# KiCad board EVE-3A keyboard ADM-3A layout.kicad_pcb
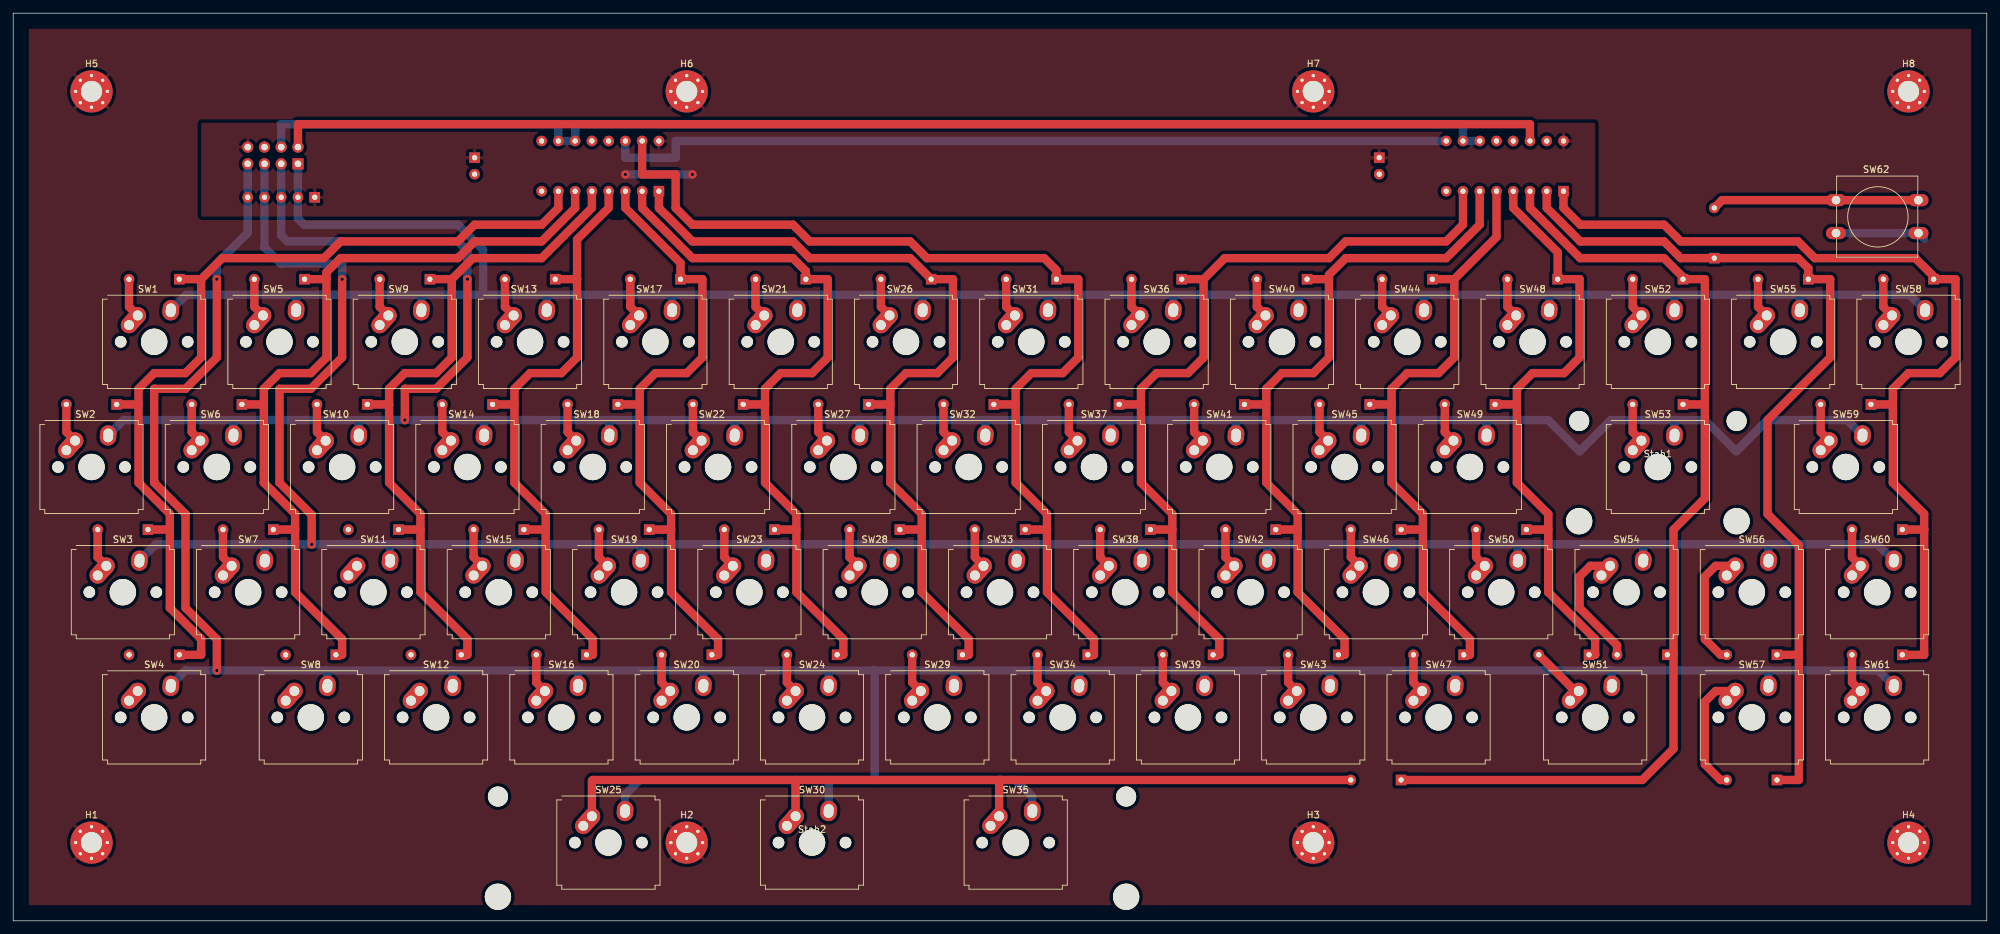
[diagram p0: board, top side]
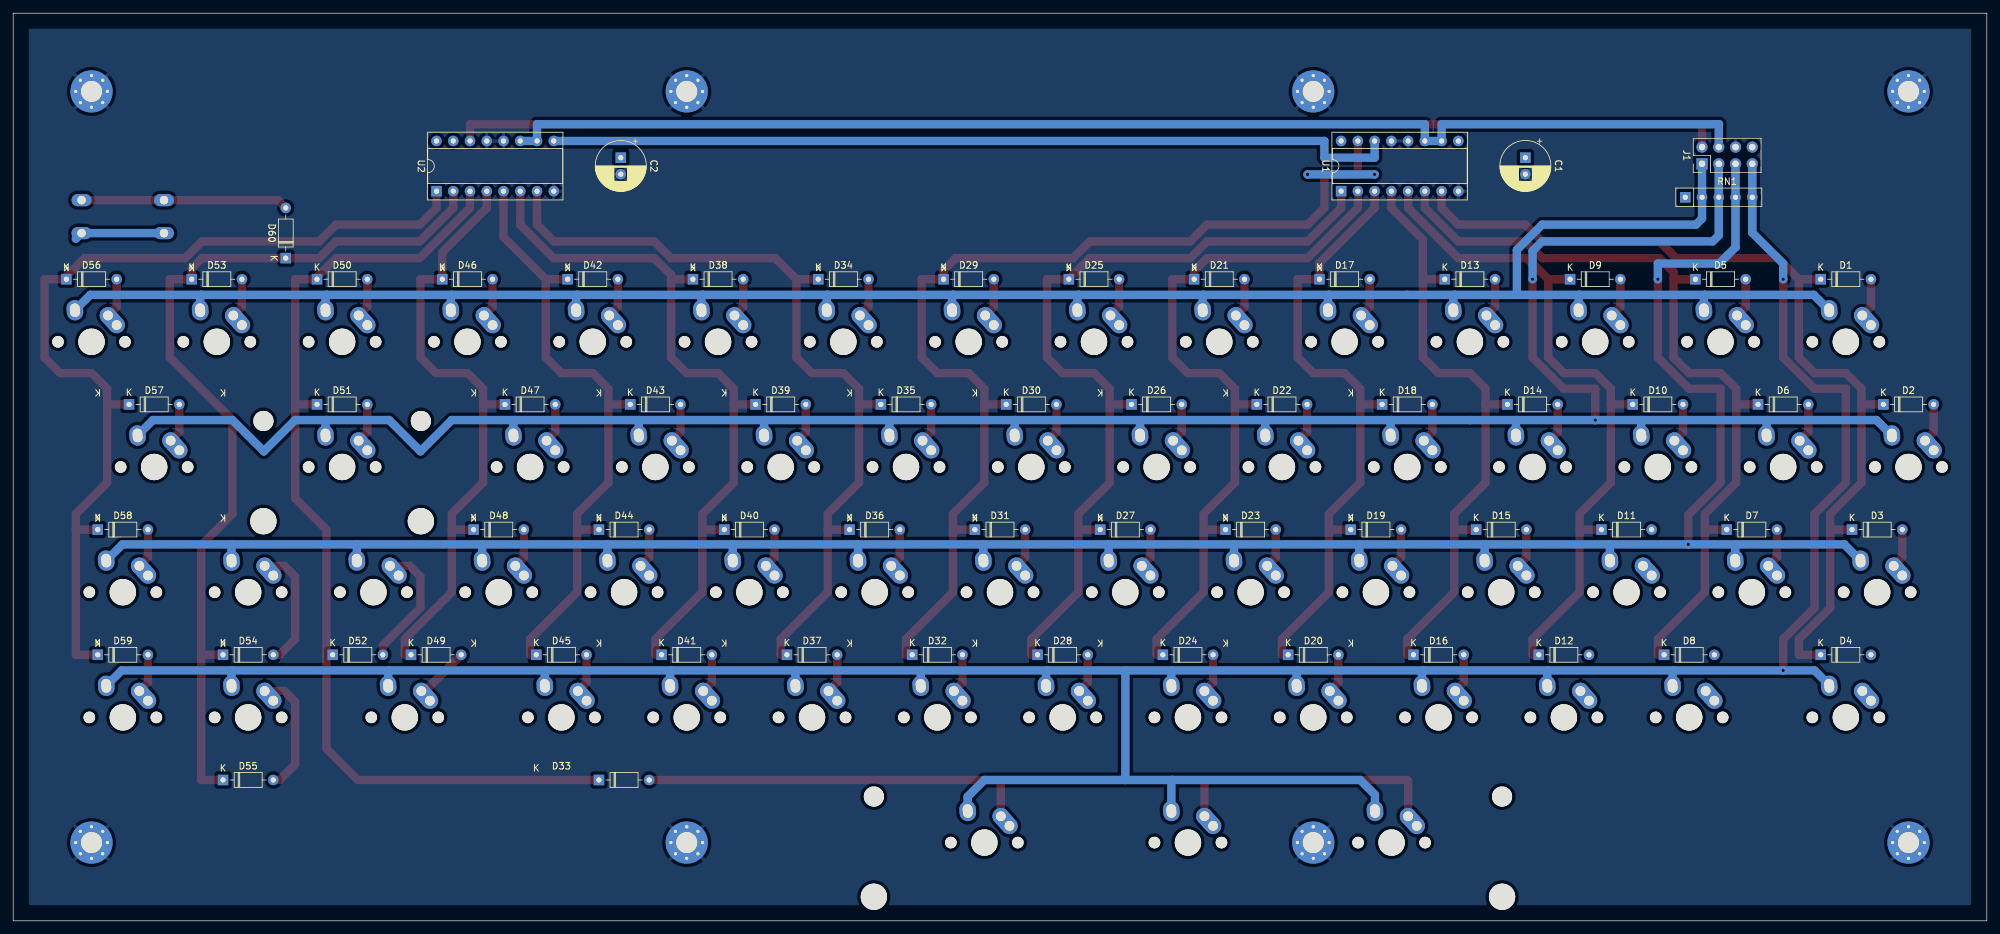
[diagram p1: board, bottom side, seen from below]

Outline 299.25 x 137.75 mm; copper layers: Top, Bottom. Coordinates in mm from the lower left corner of the outline.
Outline path: 0,137.75 0,0 299.25,0 299.25,137.75 0,137.75
Stack: Top 0.035mm / dielectric 1.51mm FR4 er 4.5 / Bottom 0.035mm

## Placement (name value [footprint] x y rotation side)
C1  C_Polarized  [CP_Radial_D7.5mm_P2.50mm]  69.97 115.81 270 bottom
C2  C_Polarized  [CP_Radial_D7.5mm_P2.50mm]  207.12 115.81 270 bottom
D1  1N4148  [D_DO-35_SOD27_P7.62mm_Horizontal]  25.19 97.38 180 bottom
D2  1N4148  [D_DO-35_SOD27_P7.62mm_Horizontal]  15.69 78.38 180 bottom
D3  1N4148  [D_DO-35_SOD27_P7.62mm_Horizontal]  20.44 59.38 180 bottom
D4  1N4148  [D_DO-35_SOD27_P7.62mm_Horizontal]  25.19 40.38 180 bottom
D5  1N4148  [D_DO-35_SOD27_P7.62mm_Horizontal]  44.18 97.38 180 bottom
D6  1N4148  [D_DO-35_SOD27_P7.62mm_Horizontal]  34.69 78.38 180 bottom
D7  1N4148  [D_DO-35_SOD27_P7.62mm_Horizontal]  39.43 59.38 180 bottom
D8  1N4148  [D_DO-35_SOD27_P7.62mm_Horizontal]  48.93 40.38 180 bottom
D9  1N4148  [D_DO-35_SOD27_P7.62mm_Horizontal]  63.18 97.38 180 bottom
D10  1N4148  [D_DO-35_SOD27_P7.62mm_Horizontal]  53.68 78.38 180 bottom
D11  1N4148  [D_DO-35_SOD27_P7.62mm_Horizontal]  58.43 59.38 180 bottom
D12  1N4148  [D_DO-35_SOD27_P7.62mm_Horizontal]  67.94 40.38 180 bottom
D13  1N4148  [D_DO-35_SOD27_P7.62mm_Horizontal]  82.19 97.38 180 bottom
D14  1N4148  [D_DO-35_SOD27_P7.62mm_Horizontal]  72.69 78.38 180 bottom
D15  1N4148  [D_DO-35_SOD27_P7.62mm_Horizontal]  77.44 59.38 180 bottom
D16  1N4148  [D_DO-35_SOD27_P7.62mm_Horizontal]  86.94 40.38 180 bottom
D17  1N4148  [D_DO-35_SOD27_P7.62mm_Horizontal]  101.19 97.38 180 bottom
D18  1N4148  [D_DO-35_SOD27_P7.62mm_Horizontal]  91.69 78.38 180 bottom
D19  1N4148  [D_DO-35_SOD27_P7.62mm_Horizontal]  96.44 59.38 180 bottom
D20  1N4148  [D_DO-35_SOD27_P7.62mm_Horizontal]  105.94 40.38 180 bottom
D21  1N4148  [D_DO-35_SOD27_P7.62mm_Horizontal]  120.19 97.38 180 bottom
D22  1N4148  [D_DO-35_SOD27_P7.62mm_Horizontal]  110.69 78.38 180 bottom
D23  1N4148  [D_DO-35_SOD27_P7.62mm_Horizontal]  115.44 59.38 180 bottom
D24  1N4148  [D_DO-35_SOD27_P7.62mm_Horizontal]  124.94 40.38 180 bottom
D25  1N4148  [D_DO-35_SOD27_P7.62mm_Horizontal]  139.19 97.38 180 bottom
D26  1N4148  [D_DO-35_SOD27_P7.62mm_Horizontal]  129.69 78.38 180 bottom
D27  1N4148  [D_DO-35_SOD27_P7.62mm_Horizontal]  134.44 59.38 180 bottom
D28  1N4148  [D_DO-35_SOD27_P7.62mm_Horizontal]  143.94 40.38 180 bottom
D29  1N4148  [D_DO-35_SOD27_P7.62mm_Horizontal]  158.19 97.38 180 bottom
D30  1N4148  [D_DO-35_SOD27_P7.62mm_Horizontal]  148.69 78.38 180 bottom
D31  1N4148  [D_DO-35_SOD27_P7.62mm_Horizontal]  153.44 59.38 180 bottom
D32  1N4148  [D_DO-35_SOD27_P7.62mm_Horizontal]  162.94 40.38 180 bottom
D33  1N4148  [D_DO-35_SOD27_P7.62mm_Horizontal]  210.44 21.38 180 bottom
D34  1N4148  [D_DO-35_SOD27_P7.62mm_Horizontal]  177.19 97.38 180 bottom
D35  1N4148  [D_DO-35_SOD27_P7.62mm_Horizontal]  167.69 78.38 180 bottom
D36  1N4148  [D_DO-35_SOD27_P7.62mm_Horizontal]  172.44 59.38 180 bottom
D37  1N4148  [D_DO-35_SOD27_P7.62mm_Horizontal]  181.94 40.38 180 bottom
D38  1N4148  [D_DO-35_SOD27_P7.62mm_Horizontal]  196.19 97.38 180 bottom
D39  1N4148  [D_DO-35_SOD27_P7.62mm_Horizontal]  186.69 78.38 180 bottom
D40  1N4148  [D_DO-35_SOD27_P7.62mm_Horizontal]  191.44 59.38 180 bottom
D41  1N4148  [D_DO-35_SOD27_P7.62mm_Horizontal]  200.94 40.38 180 bottom
D42  1N4148  [D_DO-35_SOD27_P7.62mm_Horizontal]  215.19 97.38 180 bottom
D43  1N4148  [D_DO-35_SOD27_P7.62mm_Horizontal]  205.69 78.38 180 bottom
D44  1N4148  [D_DO-35_SOD27_P7.62mm_Horizontal]  210.44 59.38 180 bottom
D45  1N4148  [D_DO-35_SOD27_P7.62mm_Horizontal]  219.94 40.38 180 bottom
D46  1N4148  [D_DO-35_SOD27_P7.62mm_Horizontal]  234.18 97.38 180 bottom
D47  1N4148  [D_DO-35_SOD27_P7.62mm_Horizontal]  224.69 78.38 180 bottom
D48  1N4148  [D_DO-35_SOD27_P7.62mm_Horizontal]  229.44 59.38 180 bottom
D49  1N4148  [D_DO-35_SOD27_P7.62mm_Horizontal]  238.93 40.38 180 bottom
D50  1N4148  [D_DO-35_SOD27_P7.62mm_Horizontal]  253.18 97.38 180 bottom
D51  1N4148  [D_DO-35_SOD27_P7.62mm_Horizontal]  253.18 78.38 180 bottom
D52  1N4148  [D_DO-35_SOD27_P7.62mm_Horizontal]  250.81 40.38 180 bottom
D53  1N4148  [D_DO-35_SOD27_P7.62mm_Horizontal]  272.19 97.38 180 bottom
D54  1N4148  [D_DO-35_SOD27_P7.62mm_Horizontal]  267.44 40.38 180 bottom
D55  1N4148  [D_DO-35_SOD27_P7.62mm_Horizontal]  267.44 21.38 180 bottom
D56  1N4148  [D_DO-35_SOD27_P7.62mm_Horizontal]  291.19 97.38 180 bottom
D57  1N4148  [D_DO-35_SOD27_P7.62mm_Horizontal]  281.69 78.38 180 bottom
D58  1N4148  [D_DO-35_SOD27_P7.62mm_Horizontal]  286.44 59.38 180 bottom
D59  1N4148  [D_DO-35_SOD27_P7.62mm_Horizontal]  286.44 40.38 180 bottom
D60  1N4148  [D_DO-35_SOD27_P7.62mm_Horizontal]  257.93 100.58 90 bottom
H1  MountingHole_Pad  [MountingHole_3.2mm_M3_Pad_Via]  11.88 11.88 0 top
H2  MountingHole_Pad  [MountingHole_3.2mm_M3_Pad_Via]  102.12 11.88 0 top
H3  MountingHole_Pad  [MountingHole_3.2mm_M3_Pad_Via]  197.12 11.88 0 top
H4  MountingHole_Pad  [MountingHole_3.2mm_M3_Pad_Via]  287.38 11.88 0 top
H5  MountingHole_Pad  [MountingHole_3.2mm_M3_Pad_Via]  11.88 125.88 0 top
H6  MountingHole_Pad  [MountingHole_3.2mm_M3_Pad_Via]  102.12 125.88 0 top
H7  MountingHole_Pad  [MountingHole_3.2mm_M3_Pad_Via]  197.12 125.88 0 top
H8  MountingHole_Pad  [MountingHole_3.2mm_M3_Pad_Via]  287.38 125.88 0 top
J1  Conn_02x04_Odd_Even  [PinHeader_2x04_P2.54mm_Vertical]  43.18 114.89 90 bottom
RN1  10K*4  [R_Array_SIP5]  45.72 109.81 180 bottom
Stab1  Stabelizer Enter  [Stabilizer_Cherry_MX_2.00u]  249.37 68.88 0 top
Stab2  Stabelizer Spacebar  [Stabilizer_Cherry_MX_6.00u]  121.12 11.88 0 top
SW1  1  [SW_Hybrid_Cherry_MX_Alps_1.00u]  21.38 87.88 0 top
SW2  Esc  [SW_Hybrid_Cherry_MX_Alps_1.00u]  11.88 68.88 0 top
SW3  Ctrl  [SW_Hybrid_Cherry_MX_Alps_1.00u]  16.62 49.88 0 top
SW4  ShiftL  [SW_Hybrid_Cherry_MX_Alps_1.50u]  21.38 30.88 0 top
SW5  2  [SW_Hybrid_Cherry_MX_Alps_1.00u]  40.38 87.88 0 top
SW6  Q  [SW_Hybrid_Cherry_MX_Alps_1.00u]  30.88 68.88 0 top
SW7  A  [SW_Hybrid_Cherry_MX_Alps_1.00u]  35.62 49.88 0 top
SW8  Z  [SW_Hybrid_Cherry_MX_Alps_1.00u]  45.13 30.88 0 top
SW9  3  [SW_Hybrid_Cherry_MX_Alps_1.00u]  59.38 87.88 0 top
SW10  W  [SW_Hybrid_Cherry_MX_Alps_1.00u]  49.88 68.88 0 top
SW11  S  [SW_Hybrid_Cherry_MX_Alps_1.00u]  54.63 49.88 0 top
SW12  X  [SW_Hybrid_Cherry_MX_Alps_1.00u]  64.12 30.88 0 top
SW13  4  [SW_Hybrid_Cherry_MX_Alps_1.00u]  78.38 87.88 0 top
SW14  E  [SW_Hybrid_Cherry_MX_Alps_1.00u]  68.88 68.88 0 top
SW15  D  [SW_Hybrid_Cherry_MX_Alps_1.00u]  73.62 49.88 0 top
SW16  C  [SW_Hybrid_Cherry_MX_Alps_1.00u]  83.12 30.88 0 top
SW17  5  [SW_Hybrid_Cherry_MX_Alps_1.00u]  97.38 87.88 0 top
SW18  R  [SW_Hybrid_Cherry_MX_Alps_1.00u]  87.88 68.88 0 top
SW19  F  [SW_Hybrid_Cherry_MX_Alps_1.00u]  92.62 49.88 0 top
SW20  V  [SW_Hybrid_Cherry_MX_Alps_1.00u]  102.12 30.88 0 top
SW21  6  [SW_Hybrid_Cherry_MX_Alps_1.00u]  116.38 87.88 0 top
SW22  T  [SW_Hybrid_Cherry_MX_Alps_1.00u]  106.88 68.88 0 top
SW23  G  [SW_Hybrid_Cherry_MX_Alps_1.00u]  111.62 49.88 0 top
SW24  B  [SW_Hybrid_Cherry_MX_Alps_1.00u]  121.12 30.88 0 top
SW25  Space  [SW_Hybrid_Cherry_MX_Alps_1.50u]  90.25 11.88 0 top
SW26  7  [SW_Hybrid_Cherry_MX_Alps_1.00u]  135.38 87.88 0 top
SW27  Y  [SW_Hybrid_Cherry_MX_Alps_1.00u]  125.88 68.88 0 top
SW28  H  [SW_Hybrid_Cherry_MX_Alps_1.00u]  130.62 49.88 0 top
SW29  N  [SW_Hybrid_Cherry_MX_Alps_1.00u]  140.12 30.88 0 top
SW30  Space  [SW_Hybrid_Cherry_MX_Alps_6.50u]  121.12 11.88 0 top
SW31  8  [SW_Hybrid_Cherry_MX_Alps_1.00u]  154.38 87.88 0 top
SW32  U  [SW_Hybrid_Cherry_MX_Alps_1.00u]  144.88 68.88 0 top
SW33  J  [SW_Hybrid_Cherry_MX_Alps_1.00u]  149.62 49.88 0 top
SW34  M  [SW_Hybrid_Cherry_MX_Alps_1.00u]  159.12 30.88 0 top
SW35  Space  [SW_Hybrid_Cherry_MX_Alps_1.50u]  152 11.88 0 top
SW36  9  [SW_Hybrid_Cherry_MX_Alps_1.00u]  173.38 87.88 0 top
SW37  I  [SW_Hybrid_Cherry_MX_Alps_1.00u]  163.88 68.88 0 top
SW38  K  [SW_Hybrid_Cherry_MX_Alps_1.00u]  168.62 49.88 0 top
SW39  ,  [SW_Hybrid_Cherry_MX_Alps_1.00u]  178.12 30.88 0 top
SW40  0  [SW_Hybrid_Cherry_MX_Alps_1.00u]  192.38 87.88 0 top
SW41  O  [SW_Hybrid_Cherry_MX_Alps_1.00u]  182.88 68.88 0 top
SW42  L  [SW_Hybrid_Cherry_MX_Alps_1.00u]  187.62 49.88 0 top
SW43  .  [SW_Hybrid_Cherry_MX_Alps_1.00u]  197.12 30.88 0 top
SW44  :  [SW_Hybrid_Cherry_MX_Alps_1.00u]  211.38 87.88 0 top
SW45  P  [SW_Hybrid_Cherry_MX_Alps_1.00u]  201.88 68.88 0 top
SW46  ;  [SW_Hybrid_Cherry_MX_Alps_1.00u]  206.62 49.88 0 top
SW47  /  [SW_Hybrid_Cherry_MX_Alps_1.00u]  216.12 30.88 0 top
SW48  - =  [SW_Hybrid_Cherry_MX_Alps_1.00u]  230.38 87.88 0 top
SW49  LineFeed  [SW_Hybrid_Cherry_MX_Alps_1.00u]  220.88 68.88 0 top
SW50  @  [SW_Hybrid_Cherry_MX_Alps_1.00u]  225.62 49.88 0 top
SW51  ShiftR  [SW_Hybrid_Cherry_MX_Alps_1.50u]  239.87 30.88 0 top
SW52  [  [SW_Hybrid_Cherry_MX_Alps_1.00u]  249.37 87.88 0 top
SW53  Enter  [SW_Hybrid_Cherry_MX_Alps_2.00u]  249.37 68.88 0 top
SW54  \  [SW_Hybrid_Cherry_MX_Alps_1.00u]  244.62 49.88 0 top
SW55  ]  [SW_Hybrid_Cherry_MX_Alps_1.00u]  268.38 87.88 0 top
SW56  _ Rub  [SW_Hybrid_Cherry_MX_Alps_1.00u]  263.62 49.88 0 top
SW57  Repeat  [SW_Hybrid_Cherry_MX_Alps_1.00u]  263.62 30.88 0 top
SW58  ^ ~ Home  [SW_Hybrid_Cherry_MX_Alps_1.00u]  287.38 87.88 0 top
SW59  Here Is  [SW_Hybrid_Cherry_MX_Alps_1.00u]  277.88 68.88 0 top
SW60  Break  [SW_Hybrid_Cherry_MX_Alps_1.00u]  282.62 49.88 0 top
SW61  Clear  [SW_Hybrid_Cherry_MX_Alps_1.00u]  282.62 30.88 0 top
SW62  Special  [SW_PUSH-12mm]  276.39 109.38 0 top
U1  74LS595  [DIP-16_W7.62mm_Socket]  97.91 110.74 90 bottom
U2  74LS595  [DIP-16_W7.62mm_Socket]  235.06 110.74 90 bottom

## Footprints (pads in the part's own frame, mm; a bottom-side part is the same pattern mirrored in y, then rotated)
CP_Radial_D7.5mm_P2.50mm
  rect 1.6x1.6 hole 0.8: 1(0,0)
  round 1.6 hole 0.8: 2(2.5,0)
D_DO-35_SOD27_P7.62mm_Horizontal
  rect 1.6x1.6 hole 0.8: 1(0,0)
  oval 1.6x1.6 hole 0.8: 2(7.62,0)
DIP-16_W7.62mm_Socket
  rect 1.6x1.6 hole 0.8: 1(0,0)
  oval 1.6x1.6 hole 0.8: 2(0,-2.54) 3(0,-5.08) 4(0,-7.62) 5(0,-10.16) 6(0,-12.7) 7(0,-15.24) 8(0,-17.78) 9(7.62,-17.78) 10(7.62,-15.24) 11(7.62,-12.7) 12(7.62,-10.16) 13(7.62,-7.62) 14(7.62,-5.08) 15(7.62,-2.54) 16(7.62,0)
MountingHole_3.2mm_M3_Pad_Via
  round 0.8 hole 0.5: 1(-2.4,0) 1(-1.697,1.697) 1(-1.697,-1.697) 1(0,2.4) 1(0,-2.4) 1(1.697,1.697) 1(1.697,-1.697) 1(2.4,0)
  round 6.4 hole 3.2: 1(0,0)
PinHeader_2x04_P2.54mm_Vertical
  rect 1.7x1.7 hole 1: 1(0,0)
  oval 1.7x1.7 hole 1: 2(2.54,0) 3(0,-2.54) 4(2.54,-2.54) 5(0,-5.08) 6(2.54,-5.08) 7(0,-7.62) 8(2.54,-7.62)
R_Array_SIP5
  rect 1.6x1.6 hole 0.8: 1(0,0)
  oval 1.6x1.6 hole 0.8: 2(2.54,0) 3(5.08,0) 4(7.62,0) 5(10.16,0)
Stabilizer_Cherry_MX_2.00u
  round 3.048 hole 3.048 unplated: (-11.938,6.985) (11.938,6.985)
  round 3.988 hole 3.988 unplated: (-11.938,-8.225) (11.938,-8.225)
Stabilizer_Cherry_MX_6.00u
  round 3.048 hole 3.048 unplated: (-47.625,6.985) (47.625,6.985)
  round 3.988 hole 3.988 unplated: (-47.625,-8.225) (47.625,-8.225)
SW_Hybrid_Cherry_MX_Alps_1.00u
  round 1.75 hole 1.75 unplated: (-5.08,0) (5.08,0)
  round 1.55 smd: (-3.81,2.54) (-2.5,4)
  round 4 hole 4 unplated: (0,0)
  oval 2.131x1.55 smd rot 86: (2.52,4.79)
  oval 4.462x2.5 hole 1.5 rot 48: 1(-3.81,2.54)
  round 2.5 hole 1.5: 1(-2.5,4)
  oval 3.081x2.5 hole 2.081x1.5 rot 86: 2(2.52,4.79)
SW_Hybrid_Cherry_MX_Alps_1.50u
  round 1.75 hole 1.75 unplated: (-5.08,0) (5.08,0)
  round 1.55 smd: (-3.81,2.54) (-2.5,4)
  round 4 hole 4 unplated: (0,0)
  oval 2.131x1.55 smd rot 86: (2.52,4.79)
  oval 4.462x2.5 hole 1.5 rot 48: 1(-3.81,2.54)
  round 2.5 hole 1.5: 1(-2.5,4)
  oval 3.081x2.5 hole 2.081x1.5 rot 86: 2(2.52,4.79)
SW_Hybrid_Cherry_MX_Alps_2.00u
  round 1.75 hole 1.75 unplated: (-5.08,0) (5.08,0)
  round 1.55 smd: (-3.81,2.54) (-2.5,4)
  round 4 hole 4 unplated: (0,0)
  oval 2.131x1.55 smd rot 86: (2.52,4.79)
  oval 4.462x2.5 hole 1.5 rot 48: 1(-3.81,2.54)
  round 2.5 hole 1.5: 1(-2.5,4)
  oval 3.081x2.5 hole 2.081x1.5 rot 86: 2(2.52,4.79)
SW_Hybrid_Cherry_MX_Alps_6.50u
  round 1.75 hole 1.75 unplated: (-5.08,0) (5.08,0)
  round 1.55 smd: (-3.81,2.54) (-2.5,4)
  round 4 hole 4 unplated: (0,0)
  oval 2.131x1.55 smd rot 86: (2.52,4.79)
  oval 4.462x2.5 hole 1.5 rot 48: 1(-3.81,2.54)
  round 2.5 hole 1.5: 1(-2.5,4)
  oval 3.081x2.5 hole 2.081x1.5 rot 86: 2(2.52,4.79)
SW_PUSH-12mm
  oval 3.048x1.85 hole 1.3: 1(0,0) 1(12.5,0) 2(0,-5) 2(12.5,-5)

## Nets
+3V3: C1.1 C2.1 J1.8 RN1.1 U1.16 U2.16
GND: C1.2 C2.2 H1.1 H2.1 H3.1 H4.1 H5.1 H6.1 H7.1 H8.1 J1.6 U1.8 U1.12 U1.13 U2.8 U2.12 U2.13
R0: J1.1 RN1.2 SW1.2 SW5.2 SW9.2 SW13.2 SW17.2 SW21.2 SW26.2 SW31.2 SW36.2 SW40.2 SW44.2 SW48.2 SW52.2 SW55.2 SW58.2
R1: J1.3 RN1.3 SW2.2 SW6.2 SW10.2 SW14.2 SW18.2 SW22.2 SW27.2 SW32.2 SW37.2 SW41.2 SW45.2 SW49.2 SW53.2 SW59.2 SW62.2
R2: J1.5 RN1.4 SW3.2 SW7.2 SW11.2 SW15.2 SW19.2 SW23.2 SW28.2 SW33.2 SW38.2 SW42.2 SW46.2 SW50.2 SW54.2 SW56.2 SW60.2
R3: J1.7 RN1.5 SW4.2 SW8.2 SW12.2 SW16.2 SW20.2 SW24.2 SW25.2 SW29.2 SW30.2 SW34.2 SW35.2 SW39.2 SW43.2 SW47.2 SW51.2 SW57.2 SW61.2
Net-(D1-Pad1): D1.1 D2.1 D3.1 D4.1 U1.7
Net-(D1-Pad2): D1.2 SW1.1
Net-(D2-Pad2): D2.2 SW2.1
Net-(D3-Pad2): D3.2 SW3.1
Net-(D4-Pad2): D4.2 SW4.1
Net-(D5-Pad1): D5.1 D6.1 D7.1 D8.1 U1.6
Net-(D5-Pad2): D5.2 SW5.1
Net-(D6-Pad2): D6.2 SW6.1
Net-(D7-Pad2): D7.2 SW7.1
Net-(D8-Pad2): D8.2 SW8.1
Net-(D9-Pad2): D9.2 SW9.1
Net-(D10-Pad1): D9.1 D10.1 D11.1 D12.1 U1.5
Net-(D10-Pad2): D10.2 SW10.1
Net-(D11-Pad2): D11.2 SW11.1
Net-(D12-Pad2): D12.2 SW12.1
Net-(D13-Pad1): D13.1 D14.1 D15.1 D16.1 U1.4
Net-(D13-Pad2): D13.2 SW13.1
Net-(D14-Pad2): D14.2 SW14.1
Net-(D15-Pad2): D15.2 SW15.1
Net-(D16-Pad2): D16.2 SW16.1
Net-(D17-Pad1): D17.1 D18.1 D19.1 D20.1 U1.3
Net-(D17-Pad2): D17.2 SW17.1
Net-(D18-Pad2): D18.2 SW18.1
Net-(D19-Pad2): D19.2 SW19.1
Net-(D20-Pad2): D20.2 SW20.1
Net-(D21-Pad1): D21.1 D22.1 D23.1 D24.1 U1.2
Net-(D21-Pad2): D21.2 SW21.1
Net-(D22-Pad2): D22.2 SW22.1
Net-(D23-Pad2): D23.2 SW23.1
Net-(D24-Pad2): D24.2 SW24.1
Net-(D25-Pad1): D25.1 D26.1 D27.1 D28.1 U1.1
Net-(D25-Pad2): D25.2 SW26.1
Net-(D26-Pad2): D26.2 SW27.1
Net-(D27-Pad2): D27.2 SW28.1
Net-(D28-Pad2): D28.2 SW29.1
Net-(D29-Pad1): D29.1 D30.1 D31.1 D32.1 U1.15
Net-(D29-Pad2): D29.2 SW31.1
Net-(D30-Pad2): D30.2 SW32.1
Net-(D31-Pad2): D31.2 SW33.1
Net-(D32-Pad2): D32.2 SW34.1
Net-(D33-Pad1): D33.1 D50.1 D51.1 D52.1 U2.3
Net-(D33-Pad2): D33.2 SW25.1 SW30.1 SW35.1
Net-(D34-Pad1): D34.1 D35.1 D36.1 D37.1 U2.7
Net-(D34-Pad2): D34.2 SW36.1
Net-(D35-Pad2): D35.2 SW37.1
Net-(D36-Pad2): D36.2 SW38.1
Net-(D37-Pad2): D37.2 SW39.1
Net-(D38-Pad1): D38.1 D39.1 D40.1 D41.1 U2.6
Net-(D38-Pad2): D38.2 SW40.1
Net-(D39-Pad2): D39.2 SW41.1
Net-(D40-Pad2): D40.2 SW42.1
Net-(D41-Pad2): D41.2 SW43.1
Net-(D42-Pad1): D42.1 D43.1 D44.1 D45.1 U2.5
Net-(D42-Pad2): D42.2 SW44.1
Net-(D43-Pad2): D43.2 SW45.1
Net-(D44-Pad2): D44.2 SW46.1
Net-(D45-Pad2): D45.2 SW47.1
Net-(D46-Pad1): D46.1 D47.1 D48.1 D49.1 U2.4
Net-(D46-Pad2): D46.2 SW48.1
Net-(D47-Pad2): D47.2 SW49.1
Net-(D48-Pad2): D48.2 SW50.1
Net-(D49-Pad2): D49.2 SW51.1
Net-(D50-Pad2): D50.2 SW52.1
Net-(D51-Pad2): D51.2 SW53.1
Net-(D52-Pad2): D52.2 SW54.1
Net-(D53-Pad1): D53.1 D54.1 D55.1 D60.1 U2.2
Net-(D53-Pad2): D53.2 SW55.1
Net-(D54-Pad2): D54.2 SW56.1
Net-(D55-Pad2): D55.2 SW57.1
Net-(D56-Pad1): D56.1 D57.1 D58.1 D59.1 U2.1
Net-(D56-Pad2): D56.2 SW58.1
Net-(D57-Pad2): D57.2 SW59.1
Net-(D58-Pad2): D58.2 SW60.1
Net-(D59-Pad2): D59.2 SW61.1
Net-(D60-Pad2): D60.2 SW62.1
Net-(J1-Pad2): J1.2 U2.14
Net-(J1-Pad4): J1.4 U1.10 U1.11 U2.10 U2.11
Net-(U1-Pad14): U1.14 U2.9

Pads without a net: U1 9; U2 15

## Via types
v1: diameter 1.27, hole 0.5, Top to Bottom, 8 vias

## Routing (per net, layer and track width the routed paths; a pad name or vN(x,y) marks a point on that pad's centre or on a via; arc(x,y) is an arc through that point)
+3V3: length 10.2
  Bottom w1.27: v1(92.82,113.28) v1(102.98,113.28)
R0: length 344.2
  Bottom w1.27: SW44.2 213.89,94.86 213.75,95 ; 42.75,95 26.23,95 SW1.2 ; 42.75,95 61.75,95 ; 42.75,95 42.9,94.86 SW5.2 ; 175.75,95 175.89,94.86 SW36.2 ; 175.75,95 194.75,95 ; 175.75,95 156.75,95 ; SW48.2 232.9,94.86 232.75,95 ; 71.25,95 61.75,95 ; 71.25,95 80.75,95 ; 71.25,95 71.25,101.83 67.43,105.66 44.1,105.66 43.18,106.58 RN1.2 J1.1 ; 61.75,95 61.9,94.86 SW9.2 ; 80.75,95 80.9,94.86 SW13.2 ; 80.75,95 99.75,95 ; 194.75,95 194.89,94.86 SW40.2 ; 194.75,95 213.75,95 ; 251.75,95 232.75,95 ; 251.75,95 270.75,95 ; 251.75,95 251.9,94.86 251.9,92.67 ; 232.75,95 213.75,95 ; 270.9,92.67 270.9,94.86 270.75,95 ; 99.75,95 99.9,94.86 SW17.2 ; 99.75,95 118.75,95 ; 118.75,95 118.89,94.86 SW21.2 ; 118.75,95 137.75,95 ; 270.75,95 287.56,95 289.9,92.67 ; 156.75,95 137.75,95 ; 156.75,95 156.89,94.86 SW31.2 ; 137.75,95 137.89,94.86 SW26.2
R1: length 390.7
  Top w1.27: v1(59.38,76) 59.38,80.75 64.12,80.75 68.88,85.5 v1(68.88,97.38)
  Bottom w1.27: 109.25,76 109.39,75.86 SW22.2 ; 109.25,76 128.25,76 ; 109.25,76 90.25,76 ; 251.75,76 251.9,75.86 251.9,73.67 ; 251.75,76 242.25,76 237.5,71.25 232.75,76 223.25,76 ; 251.75,76 256.5,76 261.25,71.25 266,76 278.06,76 280.4,73.67 ; SW6.2 33.4,75.86 33.25,76 ; SW10.2 52.4,75.86 52.25,76 ; 90.25,76 71.25,76 ; 90.25,76 90.4,75.86 SW18.2 ; SW41.2 185.39,75.86 185.25,76 ; 33.25,76 16.73,76 SW2.2 ; 33.25,76 52.25,76 ; SW62.2 SW62.2 289.75,103.51 ; 223.25,76 204.25,76 ; 223.25,76 223.39,75.86 SW49.2 ; 204.25,76 204.39,75.86 SW45.2 ; 204.25,76 185.25,76 ; 128.25,76 128.39,75.86 SW27.2 ; 128.25,76 147.25,76 ; 147.25,76 147.39,75.86 SW32.2 ; 147.25,76 166.25,76 ; 52.25,76 v1(59.38,76) 71.25,76 ; v1(68.88,97.38) 68.88,101.67 67.43,103.12 41.57,103.12 40.64,104.04 RN1.3 J1.3 ; 166.25,76 185.25,76 ; 166.25,76 166.39,75.86 SW37.2 ; 71.25,76 71.4,75.86 SW14.2
R2: length 377.1
  Top w1.27: v1(49.88,97.38) 49.88,85.5 45.13,80.75 40.38,80.75 40.38,66.5 45.26,61.62 v1(45.26,57.13)
  Bottom w1.27: SW3.2 21.61,57.13 38.13,57.13 ; SW54.2 247.15,57.12 247.13,57.13 ; 247.13,57.13 266.13,57.13 ; 247.13,57.13 228.13,57.13 ; 266.13,57.13 266.15,57.12 SW56.2 ; 266.13,57.13 282.68,57.13 SW60.2 ; SW7.2 38.15,57.12 38.13,57.13 ; 57.13,57.13 76.13,57.13 ; 57.13,57.13 v1(45.26,57.13) 38.13,57.13 ; 57.13,57.13 57.15,57.12 SW11.2 ; 76.13,57.13 76.15,57.12 SW15.2 ; 76.13,57.13 95.13,57.13 ; 133.13,57.13 133.14,57.12 133.14,54.67 ; 133.13,57.13 114.13,57.13 ; 133.13,57.13 152.13,57.13 ; SW19.2 95.15,57.12 95.13,57.13 ; 209.13,57.13 209.14,57.12 209.14,54.67 ; 209.13,57.13 190.13,57.13 ; 209.13,57.13 228.13,57.13 ; 190.13,57.13 190.14,57.12 190.14,54.67 ; 190.13,57.13 171.13,57.13 ; 228.13,57.13 228.14,57.12 228.14,54.67 ; 95.13,57.13 114.13,57.13 ; 114.13,57.13 114.14,57.12 114.14,54.67 ; 38.1,102.23 40.57,99.75 49.88,99.75 v1(49.88,97.38) ; 38.1,102.23 38.1,102.19 ; 38.1,102.23 RN1.4 J1.5 ; 171.13,57.13 152.13,57.13 ; 171.13,57.13 171.14,57.12 171.14,54.67 ; 152.13,57.13 152.14,57.12 152.14,54.67
R3: length 471.3
  Top w1.27: v1(30.88,97.38) 30.88,85.5 26.12,80.75 21.38,80.75 21.38,66.5 26.12,61.75 26.12,47.5 30.88,42.75 v1(30.88,38)
  Bottom w1.27: 47.5,38 47.65,37.86 SW8.2 ; 47.5,38 66.5,38 ; 47.5,38 v1(30.88,38) 26.12,38 23.9,35.77 SW4.2 ; SW25.2 92.77,19.15 95,21.38 123.5,21.38 ; 123.5,21.38 123.64,21.23 123.64,16.66 ; 123.5,21.38 130.62,21.38 ; 142.5,38 142.64,37.86 142.64,35.67 ; 142.5,38 161.5,38 ; 142.5,38 130.62,38 ; 242.25,38 242.4,37.86 242.4,35.67 ; 242.25,38 218.5,38 ; 242.25,38 266,38 ; 161.5,38 180.5,38 ; 161.5,38 161.64,37.86 161.64,35.67 ; 130.62,38 130.62,21.38 ; 130.62,38 123.5,38 ; 130.62,21.38 152,21.38 154.52,18.86 SW35.2 ; 104.64,35.67 104.64,37.86 104.5,38 ; v1(30.88,97.38) 30.88,99.75 35.56,104.44 RN1.5 J1.7 ; 66.5,38 66.65,37.86 SW12.2 ; 66.5,38 85.5,38 ; SW61.2 282.81,38 266,38 ; 123.5,38 123.64,37.86 123.64,35.67 ; 123.5,38 104.5,38 ; SW57.2 266.15,37.86 266,38 ; 180.64,35.67 180.64,37.86 180.5,38 ; 199.5,38 199.64,37.86 199.64,35.67 ; 199.5,38 180.5,38 ; 199.5,38 218.5,38 ; 218.5,38 218.64,37.86 218.64,35.67 ; 104.5,38 85.5,38 ; 85.5,38 85.65,37.86 SW16.2
Net-(D1-Pad1): length 142.1
  Top w1.27: D4.1 28.5,40.38 28.5,42.75 23.75,47.5 23.75,59.38 ; D3.1 23.75,59.38 ; 23.75,59.38 23.75,61.75 19,66.5 19,80.75 21.38,83.12 26.12,83.12 28.5,85.5 28.5,97.38 ; 28.5,97.38 D1.1 ; 28.5,97.38 31.7,100.58 47.1,100.58 49.65,103.12 67.43,103.12 69.97,105.66 80.12,105.66 82.66,108.2 82.66,110.74 ; D2.1 19,78.38
Net-(D1-Pad2): length 6
  Top w1.27: SW1.1 17.57,93.19 D1.2
Net-(D2-Pad2): length 6
  Top w1.27: SW2.1 8.07,74.19 D2.2
Net-(D3-Pad2): length 6
  Top w1.27: D3.2 12.82,55.19 SW3.1
Net-(D5-Pad1): length 124.9
  Top w1.27: 42.75,59.38 42.75,61.75 38,66.5 38,78.38 ; 42.75,59.38 D7.1 ; 42.75,59.38 42.75,49.88 49.88,42.75 49.88,40.38 D8.1 ; 47.5,97.38 D5.1 ; 47.5,97.38 47.5,85.5 45.13,83.12 40.38,83.12 38,80.75 38,78.38 ; 47.5,97.38 47.5,98.43 49.65,100.58 67.43,100.58 69.97,103.12 80.12,103.12 85.21,108.2 U1.6 ; 38,78.38 D6.1
Net-(D5-Pad2): length 6
  Top w1.27: D5.2 36.57,93.19 SW5.1
Net-(D6-Pad2): length 6
  Top w1.27: SW6.1 27.07,74.19 D6.2
Net-(D7-Pad2): length 6
  Top w1.27: 31.82,59.38 31.82,55.19 SW7.1
Net-(D9-Pad2): length 6
  Top w1.27: SW9.1 55.57,93.19 D9.2
Net-(D10-Pad1): length 107.8
  Top w1.27: 66.5,97.38 66.5,85.5 64.12,83.12 59.38,83.12 57,80.75 57,78.38 ; 66.5,97.38 D9.1 ; 66.5,97.38 69.7,100.58 80.12,100.58 87.75,108.2 87.75,110.74 ; D12.1 68.88,40.38 68.88,42.75 61.75,49.88 61.75,59.38 ; 61.75,59.38 61.75,61.75 57,66.5 57,78.38 ; 61.75,59.38 D11.1 ; D10.1 57,78.38
Net-(D10-Pad2): length 6
  Top w1.27: SW10.1 46.07,74.19 D10.2
Net-(D13-Pad1): length 94.9
  Top w1.27: 76,78.38 76,80.75 78.38,83.12 83.12,83.12 85.5,85.5 85.5,97.38 ; 76,78.38 76,66.5 80.75,61.75 80.75,59.38 ; 76,78.38 D14.1 ; 80.75,59.38 80.75,49.88 87.88,42.75 87.88,40.38 D16.1 ; 80.75,59.38 D15.1 ; D13.1 85.5,97.38 ; 85.5,97.38 85.5,103.41 90.28,108.2 U1.4
Net-(D13-Pad2): length 6
  Top w1.27: D13.2 74.56,93.19 SW13.1
Net-(D14-Pad2): length 6
  Top w1.27: SW14.1 65.06,74.19 D14.2
Net-(D15-Pad2): length 6
  Top w1.27: SW15.1 69.81,55.19 69.81,59.38
Net-(D16-Pad2): length 6
  Top w1.27: SW16.1 79.31,36.19 79.31,40.38
Net-(D17-Pad1): length 96.3
  Top w1.27: D19.1 99.75,59.38 ; 99.75,59.38 99.75,49.88 106.88,42.75 106.88,40.38 D20.1 ; 99.75,59.38 99.75,61.75 95,66.5 95,78.38 ; 95,78.38 95,80.75 97.38,83.12 102.12,83.12 104.5,85.5 104.5,97.38 D17.1 101.19,99.84 92.82,108.2 92.82,110.74 ; 95,78.38 D18.1
Net-(D17-Pad2): length 6
  Top w1.27: D17.2 93.56,93.19 SW17.1
Net-(D18-Pad2): length 6
  Top w1.27: SW18.1 84.06,74.19 D18.2
Net-(D19-Pad2): length 6
  Top w1.27: SW19.1 88.81,55.19 88.81,59.38
Net-(D20-Pad2): length 6
  Top w1.27: D20.2 98.31,36.19 SW20.1
Net-(D21-Pad1): length 112.1
  Top w1.27: D22.1 114,78.38 ; 114,78.38 114,66.5 118.75,61.75 118.75,49.88 125.88,42.75 125.88,40.38 D24.1 ; 114,78.38 114,80.75 116.38,83.12 121.12,83.12 123.5,85.5 123.5,97.38 D21.1 120.19,98.62 118.22,100.58 102.98,100.58 95.37,108.2 U1.2 ; D23.1 118.75,59.38
Net-(D21-Pad2): length 6
  Top w1.27: SW21.1 112.56,93.19 D21.2
Net-(D22-Pad2): length 6
  Top w1.27: D22.2 103.06,74.19 SW22.1
Net-(D23-Pad2): length 6
  Top w1.27: D23.2 107.81,55.19 SW23.1
Net-(D24-Pad2): length 6
  Top w1.27: D24.2 117.31,36.19 SW24.1
Net-(D25-Pad1): length 127.8
  Top w1.27: U1.1 97.91,108.2 102.98,103.12 118.22,103.12 120.76,100.58 136,100.58 139.19,97.4 D25.1 142.5,97.38 142.5,85.5 140.12,83.12 135.38,83.12 133,80.75 133,78.38 ; 133,78.38 D26.1 ; 133,78.38 133,66.5 137.75,61.75 137.75,49.88 144.88,42.75 144.88,40.38 D28.1 ; D27.1 137.75,59.38
Net-(D25-Pad2): length 6
  Top w1.27: SW26.1 131.56,93.19 D25.2
Net-(D26-Pad2): length 6
  Top w1.27: SW27.1 122.06,74.19 D26.2
Net-(D27-Pad2): length 6
  Top w1.27: D27.2 126.81,55.19 SW28.1
Net-(D28-Pad2): length 6
  Top w1.27: SW29.1 136.31,36.19 D28.2
Net-(D29-Pad1): length 157.8
  Top w1.27: 156.75,59.38 156.75,61.75 152,66.5 152,78.38 ; 156.75,59.38 D31.1 ; 156.75,59.38 156.75,49.88 163.88,42.75 163.88,40.38 D32.1 ; 152,78.38 152,80.75 154.38,83.12 159.12,83.12 161.5,85.5 161.5,97.38 D29.1 158.19,98.72 156.32,100.58 138.54,100.58 136,103.12 120.76,103.12 118.22,105.66 102.98,105.66 100.44,108.2 100.44,113.28 95.37,113.28 U1.15 ; 152,78.38 D30.1
Net-(D29-Pad2): length 6
  Top w1.27: D29.2 150.56,93.19 SW31.1
Net-(D30-Pad2): length 6
  Top w1.27: D30.2 141.06,74.19 SW32.1
Net-(D31-Pad2): length 6
  Top w1.27: SW33.1 145.81,55.19 D31.2
Net-(D32-Pad2): length 6
  Top w1.27: SW34.1 155.31,36.19 D32.2
Net-(D33-Pad1): length 154.5
  Top w1.27: 251.75,40.38 251.75,59.38 256.5,64.12 256.5,78.38 ; 251.75,40.38 D52.1 ; 251.75,40.38 251.75,26.12 247,21.38 D33.1 ; 256.5,78.38 D51.1 ; 256.5,78.38 256.5,97.38 D50.1 253.18,97.7 250.3,100.58 237.6,100.58 229.98,108.2 U2.3
Net-(D33-Pad2): length 131.6
  Top w1.27: SW30.1 118.62,21.25 118.75,21.38 ; 149.62,21.38 149.5,21.25 SW35.1 ; 149.62,21.38 87.88,21.38 87.75,21.25 SW25.1 ; 149.62,21.38 D33.2
Net-(D34-Pad1): length 127.4
  Top w1.27: D37.1 182.88,40.38 182.88,42.75 175.75,49.88 175.75,59.38 ; 171,78.38 D35.1 ; 171,78.38 171,66.5 175.75,61.75 175.75,59.38 ; 171,78.38 171,80.75 173.38,83.12 178.12,83.12 180.5,85.5 180.5,97.38 ; 180.5,97.38 D34.1 ; 180.5,97.38 183.7,100.58 199.5,100.58 202.04,103.12 217.28,103.12 219.82,105.66 U2.7 ; 175.75,59.38 D36.1
Net-(D34-Pad2): length 6
  Top w1.27: D34.2 169.56,93.19 SW36.1
Net-(D35-Pad2): length 6
  Top w1.27: SW37.1 160.06,74.19 D35.2
Net-(D36-Pad2): length 6
  Top w1.27: D36.2 164.81,55.19 SW38.1
Net-(D37-Pad2): length 6
  Top w1.27: SW39.1 174.31,36.19 D37.2
Net-(D38-Pad1): length 111.3
  Top w1.27: 190,78.38 D39.1 ; 190,78.38 190,66.5 194.75,61.75 194.75,59.38 ; 190,78.38 190,80.75 192.38,83.12 197.12,83.12 199.5,85.5 199.5,97.38 ; D38.1 199.5,97.38 ; 199.5,97.38 199.5,98.03 202.04,100.58 217.28,100.58 222.36,105.66 U2.6 ; D41.1 201.88,40.38 201.88,42.75 194.75,49.88 194.75,59.38 ; 194.75,59.38 D40.1
Net-(D38-Pad2): length 6
  Top w1.27: SW40.1 188.56,93.19 D38.2
Net-(D39-Pad2): length 6
  Top w1.27: D39.2 179.06,74.19 SW41.1
Net-(D40-Pad2): length 6
  Top w1.27: D40.2 183.81,55.19 SW42.1
Net-(D41-Pad2): length 6
  Top w1.27: SW43.1 193.31,36.19 D41.2
Net-(D42-Pad1): length 95.5
  Top w1.27: D44.1 213.75,59.38 ; 213.75,59.38 213.75,49.88 220.88,42.75 220.88,40.38 D45.1 ; 213.75,59.38 213.75,61.75 209,66.5 209,78.38 ; 218.5,97.38 224.91,103.78 U2.5 ; 218.5,97.38 218.5,85.5 216.12,83.12 211.38,83.12 209,80.75 209,78.38 ; 218.5,97.38 D42.1 ; 209,78.38 D43.1
Net-(D42-Pad2): length 6
  Top w1.27: SW44.1 207.56,93.19 D42.2
Net-(D43-Pad2): length 6
  Top w1.27: D43.2 198.06,74.19 SW45.1
Net-(D44-Pad2): length 6
  Top w1.27: SW46.1 202.81,55.19 D44.2
Net-(D45-Pad2): length 6
  Top w1.27: SW47.1 212.31,36.19 D45.2
Net-(D46-Pad1): length 95.7
  Top w1.27: D49.1 239.87,40.38 239.87,42.75 232.75,49.88 232.75,59.38 ; 232.75,59.38 232.75,61.75 228,66.5 228,78.38 ; 232.75,59.38 D48.1 ; 228,78.38 228,80.75 230.38,83.12 235.12,83.12 237.5,85.5 237.5,97.38 D46.1 234.18,101.46 227.44,108.2 U2.4 ; 228,78.38 D47.1
Net-(D46-Pad2): length 6
  Top w1.27: SW48.1 226.56,93.19 D46.2
Net-(D47-Pad2): length 6
  Top w1.27: SW49.1 217.06,74.19 D47.2
Net-(D48-Pad2): length 6
  Top w1.27: SW50.1 221.81,55.19 D48.2
Net-(D49-Pad2): length 8.3
  Top w1.27: D49.2 236.81,34.88 SW51.1
Net-(D50-Pad2): length 6
  Top w1.27: SW52.1 245.56,93.19 D50.2
Net-(D51-Pad2): length 6
  Top w1.27: SW53.1 245.56,74.19 D51.2
Net-(D52-Pad2): length 19.5
  Top w1.27: SW54.1 239.12,53.88 237.5,52.25 237.5,47.5 243.19,41.81 D52.2
Net-(D53-Pad1): length 139.5
  Top w1.27: D55.1 270.75,21.38 270.75,40.38 ; U2.2 232.53,108.2 237.6,103.12 250.3,103.12 252.84,100.58 D60.1 270.62,100.58 272.19,99.02 D53.1 275.5,97.38 275.5,85.5 266,76 266,61.75 270.75,57 270.75,40.38 ; 270.75,40.38 D54.1
Net-(D53-Pad2): length 6
  Top w1.27: SW55.1 264.56,93.19 D53.2
Net-(D54-Pad2): length 19.1
  Top w1.27: D54.2 258.88,40.38 256.5,42.75 256.5,52.25 258.12,53.88 SW56.1
Net-(D55-Pad2): length 19.1
  Top w1.27: SW57.1 258.12,34.88 256.5,33.25 256.5,23.75 258.88,21.38 D55.2
Net-(D56-Pad1): length 142.3
  Top w1.27: 289.75,59.38 D58.1 ; 289.75,59.38 289.75,40.38 D59.1 ; 289.75,59.38 289.75,61.75 285,66.5 285,78.38 ; 285,78.38 285,80.75 287.38,83.12 292.12,83.12 294.5,85.5 294.5,97.38 D56.1 291.19,97.8 288.41,100.58 273.17,100.58 270.62,103.12 252.84,103.12 250.3,105.66 237.6,105.66 235.06,108.2 U2.1 ; 285,78.38 D57.1
Net-(D56-Pad2): length 6
  Top w1.27: D56.2 283.56,93.19 SW58.1
Net-(D57-Pad2): length 6
  Top w1.27: D57.2 274.06,74.19 SW59.1
Net-(D58-Pad2): length 6
  Top w1.27: D58.2 278.81,55.19 SW60.1
Net-(D59-Pad2): length 6
  Top w1.27: D59.2 278.81,36.19 SW61.1
Net-(D60-Pad2): length 31.4
  Top w1.27: D60.2 259.11,109.38 SW62.1 SW62.1
Net-(J1-Pad2): length 192.8
  Top w1.27: U2.14 229.98,120.9 43.18,120.9 J1.2
Net-(J1-Pad4): length 192.9
  Bottom w1.27: U2.11 U2.10 219.82,120.9 85.21,120.9 U1.11 82.66,118.36 82.66,120.9 40.6,120.9 40.64,120.86 J1.4
Net-(U1-Pad14): length 129.5
  Bottom w1.27: U2.9 100.44,118.36 100.44,115.81 92.82,115.81 92.82,118.36

## Copper pours and planes (outline as drawn; the poured copper is in the pictures)
+3V3 on Top: 239.87,106.88 28.5,106.88 28.5,121.12 239.87,121.12
GND on Top: 296.88,2.38 2.38,2.38 2.38,135.38 296.88,135.38
GND on Bottom: 296.88,2.38 2.38,2.38 2.38,135.38 296.88,135.38

## Text on the board
B.Fab: K
B.Silkscreen: K
